# Altium PCB PCM2912_CODEC_PANEL.PcbDoc (part 2 of 3) (continued)
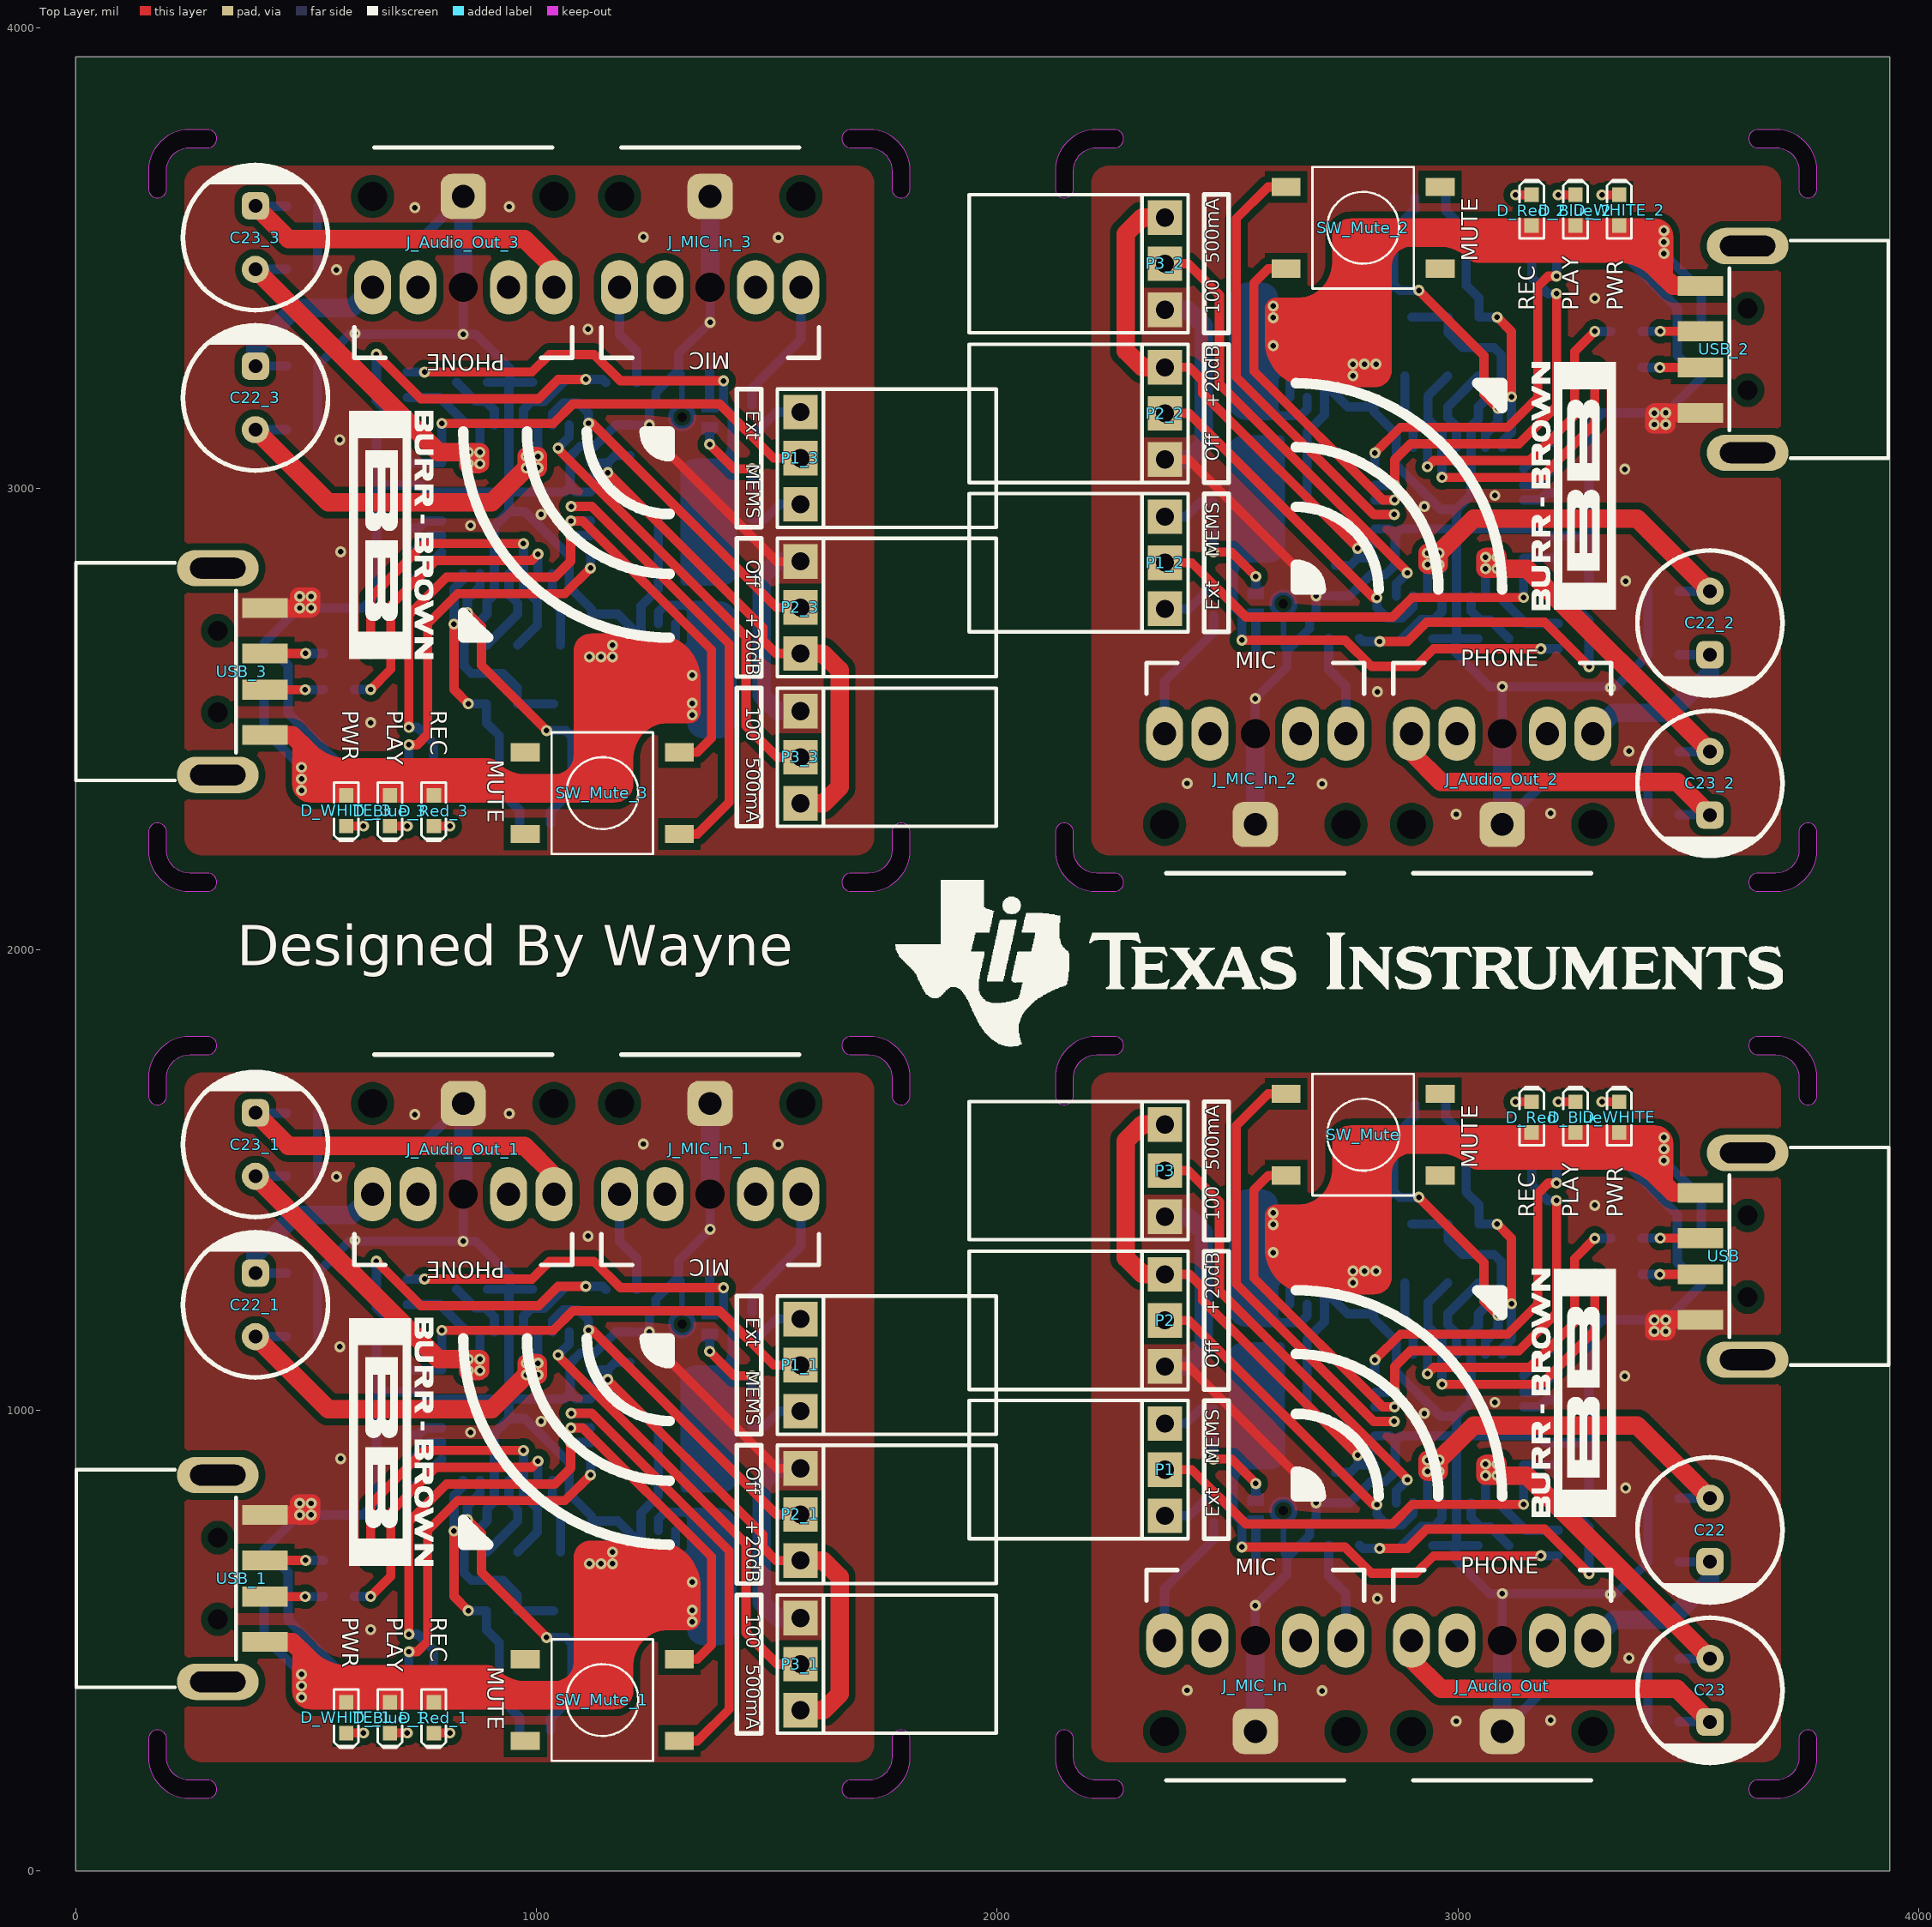
[diagram p0: Top Layer view]
## Nets (pads, with @x,y where several pads share a name; then routed paths per layer and width w, separated by ;. In a path a pad name is that pad's centre, name@x,y a point inside that pad or via, vN(x,y) a via of type N, cw(c..) or ccw(c..) an arc to the next point about the centre after c; other vN are vias at no path point) (continued)
940.1,2992.91 ; 940.1,981.91 940.1,1024.4 ; 940.1,981.91 974.6,981.91 1071.01,885.5 1071.01,847.24 1071.01,818.5 1119.31,770.19 1119.31,759.65 1175.85,759.65 1226.85,708.65 ; 940.1,1024.4 1061.1,1024.4 1073.1,1036.4 ; 940.1,2950.41 940.1,2992.91 ; 940.1,2950.41 974.6,2950.41 1071.01,2854 1071.01,2815.74 1071.01,2787 1119.31,2738.69 1119.31,2728.16 1175.85,2728.16 1226.85,2677.16 ; 940.1,2992.91 1061.1,2992.91 1073.1,3004.91 ; 1226.85,708.65 1226.85,691.52 1264.39,653.98 ; 1226.85,2677.16 1226.85,2660.02 1264.39,2622.49 ; 2672.62,1314.52 2710.16,1276.99 2710.16,1259.85 ; 2672.62,3283.03 2710.16,3245.49 2710.16,3228.35 ; 2710.16,1259.85 2761.16,1208.85 2817.69,1208.85 2817.69,1198.31 2866,1150.01 2866,1121.27 2866,1083.01 2962.41,986.6 2996.91,986.6 ; 2710.16,3228.35 2761.16,3177.35 2817.69,3177.35 2817.69,3166.82 2866,3118.51 2866,3089.77 2866,3051.51 2962.41,2955.1 2996.91,2955.1 ; 2863.91,932.1 2875.91,944.1 2996.91,944.1 ; 2863.91,2900.61 2875.91,2912.61 2996.91,2912.61 ; 2996.91,944.1 3142.57,944.1 3174.91,944.1 3190.16,928.85 3284.62,928.85 ; 2996.91,944.1 2996.91,986.6 ; 2996.91,2912.61 3142.57,2912.61 3174.91,2912.61 3190.16,2897.35 3284.62,2897.35 ; 2996.91,2912.61 2996.91,2955.1 ; 3284.62,928.85 3284.62,967.85 3284.62,1022.85 3284.62,1077.85 3284.62,1132.85 3284.62,1167.31 3313.36,1196.06 v1(3451.16,1196.06) ; 3284.62,2897.35 3284.62,2936.35 3284.62,2991.35 3284.62,3046.35 3284.62,3101.35 3284.62,3135.82 3313.36,3164.56 v1(3451.16,3164.56)
  Bottom Layer w40: 389.85,1297.45 389.85,1337.65 475.85,1423.65 598.85,1423.65 644,1468.8 ; 389.85,3265.95 389.85,3306.16 475.85,3392.16 598.85,3392.16 644,3437.31 ; 840.85,1468.8 840.85,1665.65 ; 840.85,3437.31 840.85,3634.16 ; 1376.85,1468.8 1376.85,1665.65 ; 1376.85,3437.31 1376.85,3634.16 ; 1572.85,548.65 1522.85,548.65 1488.85,582.65 1488.85,840.65 1521.85,873.65 1572.85,873.65 ; 1572.85,2517.16 1522.85,2517.16 1488.85,2551.16 1488.85,2809.16 1521.85,2842.16 1572.85,2842.16 ; 2364.16,1094.85 2415.16,1094.85 2448.16,1127.85 2448.16,1385.85 2414.16,1419.85 2364.16,1419.85 ; 2364.16,3063.35 2415.16,3063.35 2448.16,3096.35 2448.16,3354.35 2414.16,3388.35 2364.16,3388.35 ; 2560.16,302.85 2560.16,499.7 ; 2560.16,2271.35 2560.16,2468.2 ; 3096.16,302.85 3096.16,499.7 ; 3096.16,2271.35 3096.16,2468.2 ; 3293.01,499.7 3338.16,544.85 3461.16,544.85 3547.16,630.85 3547.16,671.06 ; 3293.01,2468.2 3338.16,2513.35 3461.16,2513.35 3547.16,2599.35 3547.16,2639.56
  other v1: 2996.16,324.85 3201.16,326.85 2705.16,390.85 2412.16,391.85 3371.16,461.85 639.85,523.65 1337.85,540.65 1337.85,565.65 2825.16,590.85 3331.16,599.85 1337.85,626.65 1114.85,666.65 1139.85,666.65 510.85,772.65 510.85,797.65 3364.16,830.85 2649.16,860.85 574.85,894.65 856.85,951.65 1009.85,975.65 2927.16,992.85 3080.16,1016.85 3362.16,1073.85 1287.85,1107.65 572.85,1137.65 3426.16,1170.85 3426.16,1195.85 2797.16,1301.85 2822.16,1301.85 2599.16,1341.85 605.85,1368.65 1111.85,1377.65 2599.16,1402.85 2599.16,1427.85 3297.16,1444.85 565.85,1506.65 1524.85,1576.65 1231.85,1577.65 735.85,1641.65 940.85,1643.65 2996.16,2293.35 3201.16,2295.35 2705.16,2359.35 2412.16,2360.35 3371.16,2430.35 639.85,2492.16 1337.85,2509.16 1337.85,2534.16 2825.16,2559.35 3331.16,2568.35 1337.85,2595.16 1114.85,2635.16 1139.85,2635.16 510.85,2741.16 510.85,2766.16 3364.16,2799.35 2649.16,2829.35 574.85,2863.16 856.85,2920.16 1009.85,2944.16 2927.16,2961.35 3080.16,2985.35 3362.16,3042.35 1287.85,3076.16 572.85,3106.16 3426.16,3139.35 3426.16,3164.35 2797.16,3270.35 2822.16,3270.35 2599.16,3310.35 605.85,3337.16 1111.85,3346.16 2599.16,3371.35 2599.16,3396.35 3297.16,3413.35 565.85,3475.16 1524.85,3545.16 1231.85,3546.16 735.85,3610.16 940.85,3612.16

## Polygon pours and split planes (outlines as drawn)
no net on Top Layer "Bottom Layer-No Net" (solid, remove dead copper, pour order 12): 2204.35,274.85 ccw(c2243.35,274.85) 2243.35,235.85 3662.16,235.85 ccw(c3662.16,274.85) 3701.16,274.85 3701.16,1693.65 ccw(c3662.16,1693.65) 3662.16,1732.65 2243.35,1732.65 ccw(c2243.35,1693.65) 2204.35,1693.65 2204.35,270.85
no net on Top Layer "Bottom Layer-No Net" (solid, remove dead copper, pour order 11): 1732.65,1693.65 ccw(c1693.65,1693.65) 1693.65,1732.65 274.85,1732.65 ccw(c274.85,1693.65) 235.85,1693.65 235.85,274.85 ccw(c274.85,274.85) 274.85,235.85 1693.65,235.85 ccw(c1693.65,274.85) 1732.65,274.85 1732.65,1697.65
no net on Top Layer "Bottom Layer-No Net" (solid, remove dead copper, pour order 10): 2204.35,2243.35 ccw(c2243.35,2243.35) 2243.35,2204.35 3662.16,2204.35 ccw(c3662.16,2243.35) 3701.16,2243.35 3701.16,3662.16 ccw(c3662.16,3662.16) 3662.16,3701.16 2243.35,3701.16 ccw(c2243.35,3662.16) 2204.35,3662.16 2204.35,2239.35
no net on Top Layer "Bottom Layer-No Net" (solid, remove dead copper, pour order 9): 1732.65,3662.16 ccw(c1693.65,3662.16) 1693.65,3701.16 274.85,3701.16 ccw(c274.85,3662.16) 235.85,3662.16 235.85,2243.35 ccw(c274.85,2243.35) 274.85,2204.35 1693.65,2204.35 ccw(c1693.65,2243.35) 1732.65,2243.35 1732.65,3666.16
no net on Bottom Layer "Bottom Layer-No Net" (solid, remove dead copper, pour order 16): 3701.16,274.85 3701.16,1693.65 ccw(c3662.16,1693.65) 3662.16,1732.65 2243.35,1732.65 ccw(c2243.35,1693.65) 2204.35,1693.65 2204.35,274.85 ccw(c2243.35,274.85) 2243.35,235.85 3662.16,235.85 ccw(c3662.16,274.85) 3701.16,274.85
no net on Bottom Layer "Bottom Layer-No Net" (solid, remove dead copper, pour order 15): 235.85,1693.65 235.85,274.85 ccw(c274.85,274.85) 274.85,235.85 1693.65,235.85 ccw(c1693.65,274.85) 1732.65,274.85 1732.65,1693.65 ccw(c1693.65,1693.65) 1693.65,1732.65 274.85,1732.65 ccw(c274.85,1693.65) 235.85,1693.65
no net on Bottom Layer "Bottom Layer-No Net" (solid, remove dead copper, pour order 14): 3701.16,2243.35 3701.16,3662.16 ccw(c3662.16,3662.16) 3662.16,3701.16 2243.35,3701.16 ccw(c2243.35,3662.16) 2204.35,3662.16 2204.35,2243.35 ccw(c2243.35,2243.35) 2243.35,2204.35 3662.16,2204.35 ccw(c3662.16,2243.35) 3701.16,2243.35
no net on Bottom Layer "Bottom Layer-No Net" (solid, remove dead copper, pour order 13): 235.85,3662.16 235.85,2243.35 ccw(c274.85,2243.35) 274.85,2204.35 1693.65,2204.35 ccw(c1693.65,2243.35) 1732.65,2243.35 1732.65,3662.16 ccw(c1693.65,3662.16) 1693.65,3701.16 274.85,3701.16 ccw(c274.85,3662.16) 235.85,3662.16

## Other copper
Top Layer:
  region: 3467.16,1521.85 3467.16,1578.85 ccw(c3428.16,1578.85) 3428.16,1617.85 3044.16,1617.85 ccw(c3044.16,1585.85) 3012.16,1585.85 3012.16,1554.85 ccw(c3045.16,1554.85) 3045.16,1521.85
  region: 3032.16,1556.85 2898.16,1556.85 ccw(c2898.16,1514.85) 2856.16,1514.85 2856.16,1288.85 cw(c2819.16,1288.85) 2819.16,1251.85 2773.16,1251.85 cw(c2773.16,1277.85) 2747.16,1277.85 2747.16,1295.85 ccw(c2647.16,1295.85) 2647.16,1395.85 2607.16,1395.85 cw(c2607.16,1421.85) 2581.16,1421.85 cw(c2605.16,1421.85) 2605.16,1445.85 2651.16,1445.85 ccw(c2651.16,1521.85) 2727.16,1521.85 2727.16,1577.85 cw(c2767.16,1577.85) 2767.16,1617.85 3001.16,1617.85 cw(c3001.16,1586.85) 3032.16,1586.85
  region: 3021.62,1531.31 ccw(c2959.97,1469.67) 2959.97,1556.85 2943.16,1556.85 2943.16,1579.44 ccw(c2939.74,1579.44) 2942.16,1581.85 ccw(c2946.99,1586.68) 2946.99,1579.85 3036.16,1579.85 3036.16,1540.51 ccw(c3049.81,1540.51) 3040.16,1530.85
  region: 3437.16,1473.85 3418.45,1492.56 ccw(c3347.74,1421.85) 3347.74,1521.85 3340.16,1521.85 3340.16,1579.44 ccw(c3336.74,1579.44) 3339.16,1581.85 3456.16,1581.85 3456.16,1476.26 cw(c3452.74,1476.26) 3455.16,1473.85
  region: 2580.93,1421.85 2580.93,1352.07 ccw(c2680.93,1352.07) 2680.93,1252.07 2769.76,1252.07 ccw(c2769.76,1259.47) 2777.16,1259.47 2777.16,1423.85
  region: 2914.16,866.85 ccw(c2934.16,866.85) 2934.16,846.85 2958.16,846.85 ccw(c2958.16,866.85) 2978.16,866.85 2978.16,891.85 cw(c2979.16,891.85) 2979.16,892.85 2978.16,892.85 2978.16,893.85 ccw(c2960.16,893.85) 2960.16,911.85 2934.16,911.85 ccw(c2934.16,891.85) 2914.16,891.85
  region: 3040.16,857.85 ccw(c3060.16,857.85) 3060.16,837.85 3085.03,837.85 ccw(c3085.03,857.85) 3105.03,857.85 3105.03,884.98 ccw(c3087.16,884.98) 3087.16,902.85 3060.16,902.85 ccw(c3060.16,882.85) 3040.16,882.85
  region: 3472.16,1169.85 cw(c3454.16,1169.85) 3454.16,1151.85 3422.16,1151.85 cw(c3422.16,1166.85) 3407.16,1166.85 3407.16,1195.85 cw(c3428.16,1195.85) 3428.16,1216.85 3452.16,1216.85 cw(c3452.16,1196.85) 3472.16,1196.85
  region: 469.85,446.65 469.85,389.65 ccw(c508.85,389.65) 508.85,350.65 892.85,350.65 ccw(c892.85,382.65) 924.85,382.65 924.85,413.65 ccw(c891.85,413.65) 891.85,446.65
  region: 904.85,411.65 1038.85,411.65 ccw(c1038.85,453.65) 1080.85,453.65 1080.85,679.65 cw(c1117.85,679.65) 1117.85,716.65 1163.85,716.65 cw(c1163.85,690.65) 1189.85,690.65 1189.85,672.65 ccw(c1289.85,672.65) 1289.85,572.65 1329.85,572.65 cw(c1329.85,546.65) 1355.85,546.65 cw(c1331.85,546.65) 1331.85,522.65 1285.85,522.65 ccw(c1285.85,446.65) 1209.85,446.65 1209.85,390.65 cw(c1169.85,390.65) 1169.85,350.65 935.85,350.65 cw(c935.85,381.65) 904.85,381.65
  region: 915.39,437.19 ccw(c977.04,498.84) 977.04,411.65 993.85,411.65 993.85,389.07 ccw(c997.26,389.07) 994.85,386.65 ccw(c990.02,381.83) 990.02,388.65 900.85,388.65 900.85,428 ccw(c887.19,428) 896.85,437.65
  region: 499.85,494.65 518.56,475.94 ccw(c589.27,546.65) 589.27,446.65 596.85,446.65 596.85,389.07 ccw(c600.26,389.07) 597.85,386.65 480.85,386.65 480.85,492.24 cw(c484.26,492.24) 481.85,494.65
  region: 1356.07,546.65 1356.07,616.43 ccw(c1256.07,616.43) 1256.07,716.43 1167.24,716.43 ccw(c1167.24,709.04) 1159.85,709.04 1159.85,544.65
  region: 1022.85,1101.65 ccw(c1002.85,1101.65) 1002.85,1121.65 978.85,1121.65 ccw(c978.85,1101.65) 958.85,1101.65 958.85,1076.65 cw(c957.85,1076.65) 957.85,1075.65 958.85,1075.65 958.85,1074.65 ccw(c976.85,1074.65) 976.85,1056.65 1002.85,1056.65 ccw(c1002.85,1076.65) 1022.85,1076.65
  region: 896.85,1110.65 ccw(c876.85,1110.65) 876.85,1130.65 851.98,1130.65 ccw(c851.98,1110.65) 831.98,1110.65 831.98,1083.52 ccw(c849.85,1083.52) 849.85,1065.65 876.85,1065.65 ccw(c876.85,1085.65) 896.85,1085.65
  region: 464.85,798.65 cw(c482.85,798.65) 482.85,816.65 514.85,816.65 cw(c514.85,801.65) 529.85,801.65 529.85,772.65 cw(c508.85,772.65) 508.85,751.65 484.85,751.65 cw(c484.85,771.65) 464.85,771.65
  region: 3467.16,3490.35 3467.16,3547.35 ccw(c3428.16,3547.35) 3428.16,3586.35 3044.16,3586.35 ccw(c3044.16,3554.35) 3012.16,3554.35 3012.16,3523.35 ccw(c3045.16,3523.35) 3045.16,3490.35
  region: 3032.16,3525.35 2898.16,3525.35 ccw(c2898.16,3483.35) 2856.16,3483.35 2856.16,3257.35 cw(c2819.16,3257.35) 2819.16,3220.35 2773.16,3220.35 cw(c2773.16,3246.35) 2747.16,3246.35 2747.16,3264.35 ccw(c2647.16,3264.35) 2647.16,3364.35 2607.16,3364.35 cw(c2607.16,3390.35) 2581.16,3390.35 cw(c2605.16,3390.35) 2605.16,3414.35 2651.16,3414.35 ccw(c2651.16,3490.35) 2727.16,3490.35 2727.16,3546.35 cw(c2767.16,3546.35) 2767.16,3586.35 3001.16,3586.35 cw(c3001.16,3555.35) 3032.16,3555.35
  region: 3021.62,3499.82 ccw(c2959.97,3438.17) 2959.97,3525.35 2943.16,3525.35 2943.16,3547.94 ccw(c2939.74,3547.94) 2942.16,3550.35 ccw(c2946.99,3555.18) 2946.99,3548.35 3036.16,3548.35 3036.16,3509.01 ccw(c3049.81,3509.01) 3040.16,3499.35
  region: 3437.16,3442.35 3418.45,3461.07 ccw(c3347.74,3390.35) 3347.74,3490.35 3340.16,3490.35 3340.16,3547.94 ccw(c3336.74,3547.94) 3339.16,3550.35 3456.16,3550.35 3456.16,3444.77 cw(c3452.74,3444.77) 3455.16,3442.35
  region: 2580.93,3390.35 2580.93,3320.58 ccw(c2680.93,3320.58) 2680.93,3220.58 2769.76,3220.58 ccw(c2769.76,3227.97) 2777.16,3227.97 2777.16,3392.35
  region: 2914.16,2835.35 ccw(c2934.16,2835.35) 2934.16,2815.35 2958.16,2815.35 ccw(c2958.16,2835.35) 2978.16,2835.35 2978.16,2860.35 cw(c2979.16,2860.35) 2979.16,2861.35 2978.16,2861.35 2978.16,2862.35 ccw(c2960.16,2862.35) 2960.16,2880.35 2934.16,2880.35 ccw(c2934.16,2860.35) 2914.16,2860.35
  region: 3040.16,2826.35 ccw(c3060.16,2826.35) 3060.16,2806.35 3085.03,2806.35 ccw(c3085.03,2826.35) 3105.03,2826.35 3105.03,2853.48 ccw(c3087.16,2853.48) 3087.16,2871.35 3060.16,2871.35 ccw(c3060.16,2851.35) 3040.16,2851.35
  region: 3472.16,3138.35 cw(c3454.16,3138.35) 3454.16,3120.35 3422.16,3120.35 cw(c3422.16,3135.35) 3407.16,3135.35 3407.16,3164.35 cw(c3428.16,3164.35) 3428.16,3185.35 3452.16,3185.35 cw(c3452.16,3165.35) 3472.16,3165.35
  region: 469.85,2415.16 469.85,2358.16 ccw(c508.85,2358.16) 508.85,2319.16 892.85,2319.16 ccw(c892.85,2351.16) 924.85,2351.16 924.85,2382.16 ccw(c891.85,2382.16) 891.85,2415.16
  region: 904.85,2380.16 1038.85,2380.16 ccw(c1038.85,2422.16) 1080.85,2422.16 1080.85,2648.16 cw(c1117.85,2648.16) 1117.85,2685.16 1163.85,2685.16 cw(c1163.85,2659.16) 1189.85,2659.16 1189.85,2641.16 ccw(c1289.85,2641.16) 1289.85,2541.16 1329.85,2541.16 cw(c1329.85,2515.16) 1355.85,2515.16 cw(c1331.85,2515.16) 1331.85,2491.16 1285.85,2491.16 ccw(c1285.85,2415.16) 1209.85,2415.16 1209.85,2359.16 cw(c1169.85,2359.16) 1169.85,2319.16 935.85,2319.16 cw(c935.85,2350.16) 904.85,2350.16
  region: 915.39,2405.69 ccw(c977.04,2467.34) 977.04,2380.16 993.85,2380.16 993.85,2357.57 ccw(c997.26,2357.57) 994.85,2355.16 ccw(c990.02,2350.33) 990.02,2357.16 900.85,2357.16 900.85,2396.5 ccw(c887.19,2396.5) 896.85,2406.16
  region: 499.85,2463.16 518.56,2444.45 ccw(c589.27,2515.16) 589.27,2415.16 596.85,2415.16 596.85,2357.57 ccw(c600.26,2357.57) 597.85,2355.16 480.85,2355.16 480.85,2460.74 cw(c484.26,2460.74) 481.85,2463.16
  region: 1356.07,2515.16 1356.07,2584.94 ccw(c1256.07,2584.94) 1256.07,2684.94 1167.24,2684.94 ccw(c1167.24,2677.54) 1159.85,2677.54 1159.85,2513.16
  region: 1022.85,3070.16 ccw(c1002.85,3070.16) 1002.85,3090.16 978.85,3090.16 ccw(c978.85,3070.16) 958.85,3070.16 958.85,3045.16 cw(c957.85,3045.16) 957.85,3044.16 958.85,3044.16 958.85,3043.16 ccw(c976.85,3043.16) 976.85,3025.16 1002.85,3025.16 ccw(c1002.85,3045.16) 1022.85,3045.16
  region: 896.85,3079.16 ccw(c876.85,3079.16) 876.85,3099.16 851.98,3099.16 ccw(c851.98,3079.16) 831.98,3079.16 831.98,3052.03 ccw(c849.85,3052.03) 849.85,3034.16 876.85,3034.16 ccw(c876.85,3054.16) 896.85,3054.16
  region: 464.85,2767.16 cw(c482.85,2767.16) 482.85,2785.16 514.85,2785.16 cw(c514.85,2770.16) 529.85,2770.16 529.85,2741.16 cw(c508.85,2741.16) 508.85,2720.16 484.85,2720.16 cw(c484.85,2740.16) 464.85,2740.16